# Altium PCB Board_Layout_Test.PcbDoc (part 2 of 2)
Units mil, origin at the board's own origin, x right, y up, seen from the top; angles counter-clockwise.
Board outline 4520 x 2430 mil, 4 copper layers (Top Layer, Power, Ground, Bottom Layer); 163 components, 141 nets, 661 pads, 470 vias.
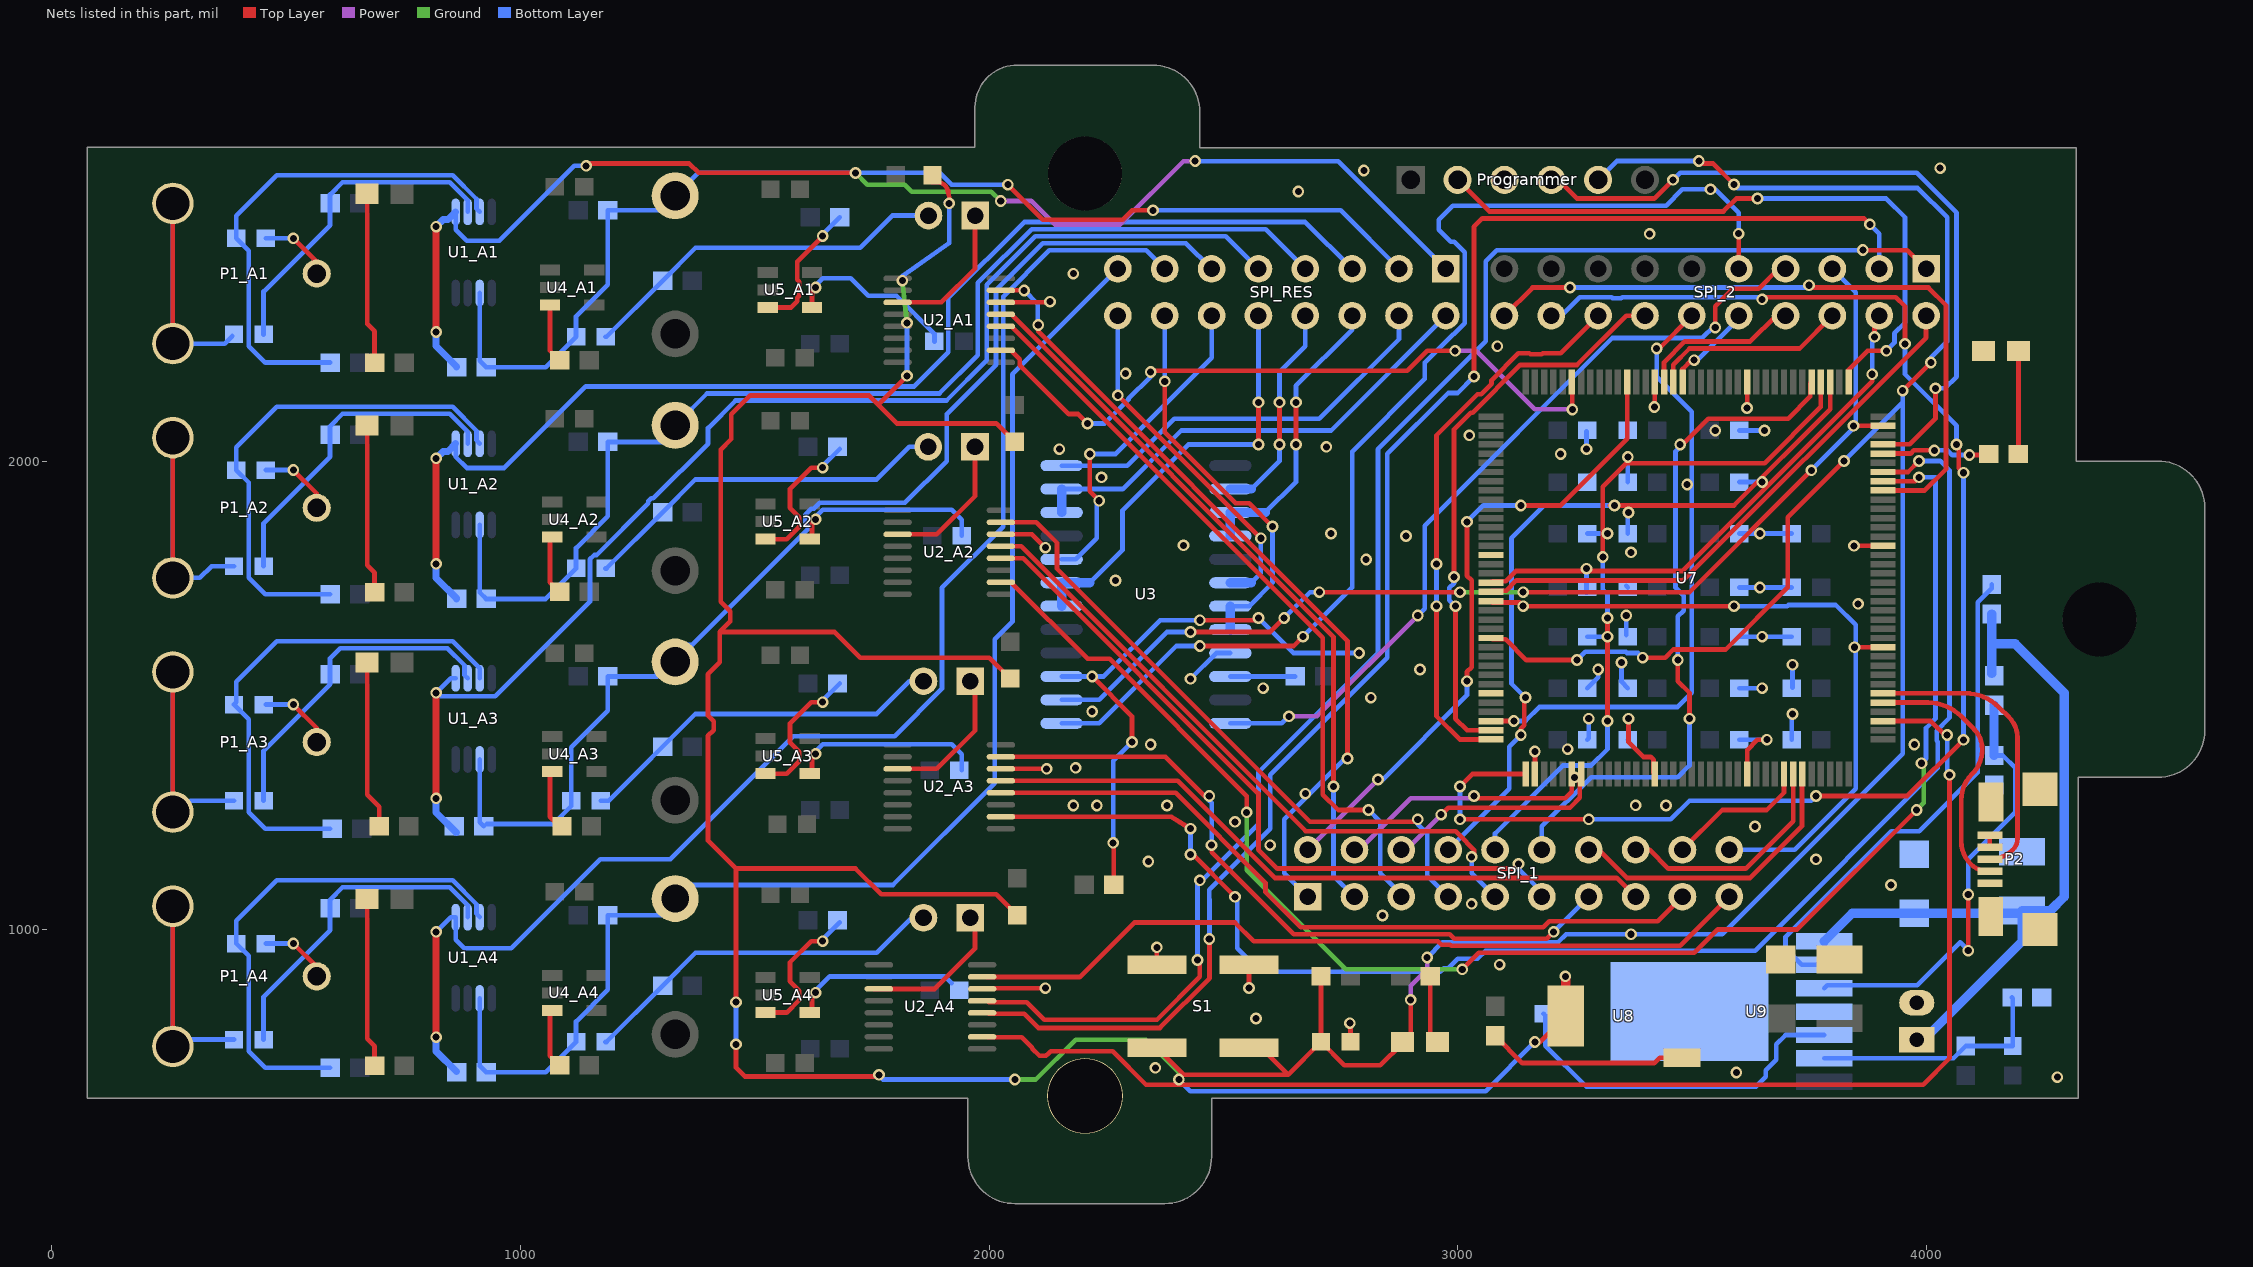
[diagram p4: the nets of this part, all layers, seen from the top]

## Via types
v1: diameter 25, hole 15, Top Layer to Bottom Layer, tented both sides, 292 vias
v2: diameter 25, hole 15, Top Layer to Ground, tented top, 64 vias
v3: diameter 25, hole 15, Ground to Bottom Layer, tented bottom, 48 vias
v4: diameter 25, hole 15, Top Layer to Power, tented top, 36 vias
v5: diameter 25, hole 15, Power to Bottom Layer, tented bottom, 30 vias

## Nets (pads, with @x,y where several pads share a name; then routed paths per layer and width w, separated by ;. In a path a pad name is that pad's centre, name@x,y a point inside that pad or via, vN(x,y) a via of type N, cw(c..) or ccw(c..) an arc to the next point about the centre after c; other vN are vias at no path point) (continued)
DGND: C11.2 C12.2 C13.2 C14.2 C15.2 C16.2 C17.2 C18.2 C19.2 C20.2 C21.2 C22.2 C23.2 C24.2 C25.2 C26.2 C27.2 C28.2 C29.2 C30.2 C31.2 C32.2 C33.2 C34.2 C35.2 C36.2 C37.2 C38.1 C40.2 C41.2 C42.2 C43.2 D5.1 NT1_A1.2 NT1_A2.2 NT1_A3.2 NT1_A4.2 P2.1 P2.4 P2.5 P2.SHD P3.2 pad.0@2204.72,645 pad.0@2204.72,2613.5 Programmer.3 R21.2 R23.2 S1.1 S1.2 U2_A1.14 U2_A2.14 U2_A3.14 U2_A4.14 U3.9 U7.16 U7.31 U7.38 U7.51 U7.61 U7.83 U7.94 U7.107 U7.120 U7.130 U8.5 U9.4 U9.8 | length 8509
  Top Layer w10: v1(1460,755) 1460,705.21 1478.7,686.51 v1@1766.3,686.51 ; v1(1460,845) 1460,1130.21 ; 1763.44,2120.2 v1(1825,2181.76) ; NT1_A1.2@1879.37,2595 1889.49,2595 cw(c1889.49,2571.68) 1912.81,2571.68 cw(c1879.37,2559.37) 1915,2559.37 v1(1915,2550) ; U2_A4.14@2000,875 v2(2120,875) ; U2_A3.14@2025.24,1343.09 v2(2122.87,1343.09) ; U2_A2.14@2025.24,1843.6 2091.61,1843.6 v2(2120,1815.21) ; U2_A1.14@2025.24,2338.6 v2@2128.39,2338.6 ; NT1_A3.2@2045,1535.84 2000.63,1580.21 1725,1580.21 1670,1635.21 1425,1635.21 ; NT1_A2.2@2055,2040.84 2015.63,2080.21 1803.42,2080.21 1743.64,2140 1490,2140 1450,2100 1450,2047.03 1427.5,2024.53 1427.5,1699.53 1447.5,1679.53 1447.5,1657.71 1425,1635.21 ; NT1_A4.2@2060,1030.84 2015.63,1075.21 1770,1075.21 1715,1130.21 1460,1130.21 ; S1.2@2358.15,925.21 v2(2358.15,962.06) ; v2(2555,875.21) S1.1@2555,925.21 ; C37.2@2771.5,760.21 v2@2771.5,798.72 ; v1(3165,760.21) 3175.98,760.21 U8.5@3230.98,815.21 ; U7.38@3165.2,1331.91 v2@3165.2,1380.02 ; v1(3365,1450.21) 3365,1400.21 3396.73,1368.48 3412.45,1368.48 3418.31,1362.62 3418.31,1334.7 U7.51@3421.1,1331.91 ; v2@3421.1,2115.21 U7.130@3421.1,2168.52 ; U7.61@3617.95,1331.91 3617.95,1383.17 3640,1405.21 v1@3655,1405.21 ; v2(3617.95,2113.17) U7.120@3617.95,2168.52 ; v2@3845.2,2075.02 U7.107@3908.31,2075.02 ; v2(3846.1,1819.11) U7.94@3908.31,1819.11 ; v2(3847.36,1602.58) U7.83@3908.31,1602.58 ; P2.4@4136,1175.59 P2.5@4136,1201.18 ; 1425,1635.21 1425,1570.21 1400,1545.21 1400,1457.03 1412.5,1444.53 1412.5,1425.89 1400,1413.39 1400,1190.21 1460,1130.21
  Top Layer w20: U8.5@3230.98,815.21 v2@3230.98,900.21
  Power w10: v1@1907.88,2552.67 1908.06,2552.6 v1(1915,2550) v1@1908.61,2553.93
  Ground w10: v3(1815,2385) v3(1825,2295) ; v1(2055,680) 2100,680 2185,765 2335,765 2405,695 v3(2405,680)
  Bottom Layer w10: v1(1460,755) v1(1460,845) ; v1@1766.3,686.51 1772.81,680 v1(2055,680) ; v3(1815,2385) 1815,2395 1915,2465 v1(1915,2550) ; v1(1825,2181.76) v3(1825,2295) ; v3(2405,680) 2429.79,655.21 3060,655.21 v1(3165,760.21) ; v3(2430,1535.21) 2485,1590.21 U3.9@2515.12,1590.21 ; C33.2@3275,1720.21 3275,1775.21 3280,1770.21 v3(3275,1770.21) ; v3(3275,2025.21) C30.2@3275,2063.72 ; C36.2@3276.5,1405.21 3280,1408.72 v3(3280,1450.21) ; C35.2@3276.5,1515.21 3300,1538.72 v3(3300,1555.21) ; C34.2@3276.5,1625.21 v3(3320,1625.21) ; C32.2@3276.5,1845.21 v3(3320,1845.21) ; v3(3350,1570.21) 3350,1528.72 C28.2@3363.5,1515.21 ; C27.2@3360,1628.72 v3(3360,1670.21) ; C26.2@3360,1733.72 C26.2@3363.5,1730.21 ; C29.2@3363.5,1405.21 3365,1406.71 v1(3365,1450.21) ; C25.2@3363.5,1845.21 v3@3363.5,1888.72 ; C24.2@3363.5,1955.21 v3(3363.5,2008.72) ; C22.2@3601.5,1405.21 v1(3660,1405.21) ; C21.2@3601.5,1515.21 v3(3650,1515.21) ; C20.2@3601.5,1625.21 v3(3650,1625.21) C13.2@3713.5,1625.21 ; C19.2@3601.5,1730.21 v3(3645,1730.21) C12.2@3713.5,1730.21 ; C18.2@3601.5,1845.21 v3(3645,1845.21) C11.2@3713.5,1845.21 ; C17.2@3601.5,1955.21 v3(3650,1955.21) ; C16.2@3601.5,2065.21 v3(3655,2065.21) ; C15.2@3713.5,1405.21 v3@3713.5,1458.72 ; C14.2@3715,1516.71 v3(3715,1565.21)
  other v1: 4280,685 1765,690 3595,695 2355,705 2570,810.21 2840,1030 3030,1055 3925,1095.21 2340,1145.21 3765,1150 2600,1180 3635,1220 2525,1230 2180,1265 2380,1265 2185,1345.21 2345,1395 3975,1395.21 2220,1465.21 2815,1495 2585,1515.21 2920,1555.21 3855,1695.21 2270,1745.21 3370,1805.21 2415,1820.21 2890,1840 2730,1845.21 2240,1965.21 3220,2015.21 2150,2025.21 2720,2030.21 3025,2055 2180,2400 3410,2485 2660,2575.21 2800,2620 4030,2625.21
  other v2: 2770,800.21 3230,900.21 3090,925 3370,990 2230,1265 3380,1265.21 2675,1290 3165,1380.21 3235,1385 3490,1950 3550,2065 3845,2075.21 3420,2115.21 2291.61,2186.61 3085,2245 2130,2340.21 3540,2580
  other v3: 3445,1265 3250,1325 3715,1460.21 2805,1790 3365,1890.21
EOC/I\N\T\_A1: U2_A1.10 U7.139 | length 1473.5
  Top Layer w10: U2_A1.10@2025.24,2236.24 2046.75,2236.24 2065.75,2217.24 2065.75,2204.47 2170,2100.21 2190,2100.21 v1(2210,2080.21) ; v1(2345,2190.21) 2347.5,2192.71 2892.5,2192.71 2935,2235.21 v1(2995,2235.21) ; U7.139@3243.94,2168.52 3245,2167.46 v1(3245,2110.21)
  Power w10: v1(2995,2235.21) 3040,2235.21 3165,2110.21 v1(3245,2110.21)
  Bottom Layer w10: v1(2210,2080.21) 2246.82,2080.21 2297.5,2130.89 2297.5,2132.71 2345,2180.21 v1(2345,2190.21)
EOC/I\N\T\_A2: U2_A2.10 U7.101 | length 3375.5
  Top Layer w10: U2_A2.10@2025.24,1741.24 2046.75,1741.24 2210.27,1577.71 2257.29,1577.71 2550,1285 v1@2550,1250.82 ; v1(3010,915.21) 3045,950.21 3505,950.21 3555,1000.21 3725,1000.21 v1(3980,1255.21) ; U7.101@3908.31,1956.91 3976.69,1956.91 v1(3985,1965.21)
  Ground w10: v1(2550,1250.21) 2550,1127.02 2761.8,915.21 v1(3010,915.21) ; v1(3980,1255.21) 3995,1270.21 3995,1350 v1(3990,1355)
  Bottom Layer w10: v1(3985,1965.21) 4020,1965.21 4020,1450.21 4000,1430.21 4000,1365 v1(3990,1355)
EOC/I\N\T\_A3: U2_A3.10 U7.102 | length 3218.6
  Top Layer w10: U2_A3.10@2025.24,1240.73 2389.49,1240.73 v1(2430,1215.21) ; v1@2432.5,1162.5 v1(2525,1070) ; U7.102@3908.31,1976.59 3961.38,1976.59 v1(3985,2000.21)
  Bottom Layer w10: v1@2430,1155 v1(2430,1215.21) ; v1(2525,1070) 2530,1065 2530,960 2580,910 2962.97,910 2970.68,917.71 ; 2970.68,917.5 2980.47,917.5 3000.68,937.71 3042.5,937.71 3059.79,955 3635,955 4025,1345 4025,1400.89 4022.5,1403.39 4022.5,1424.53 4050,1452.03 4050,1980.21 4030,2000.21 v1(3985,2000.21)
  other v1: 2430,1160
EOC/I\N\T\_A4: U2_A4.10 U7.75 | length 2968.8
  Top Layer w10: U2_A4.10@1998.24,770 2070,770 2092.5,747.5 2092.5,745.89 2107.67,730.73 2121.43,730.73 2123.42,732.71 2124.32,732.71 2131.61,740 2264.03,740 2335,669.03 3994.03,669.03 4050,725 v1(4050,1330.21) ; U7.75@3908.31,1445.1 4010.12,1445.1 v1@4045,1410.21
  Bottom Layer w10: v1(4045,1415.21) 4045,1335.21 v1(4050,1330.21)
NetC2_A1_1: C2_A1.1 P1_A1.2 P1_A1.3 | length 732.2
  Top Layer w10: P1_A1.2@257.91,2250.61 P1_A1.3@257.91,2549.82
  Bottom Layer w10: P1_A1.3@257.91,2549.82 P1_A1.2@257.91,2250.61 368.9,2250.61 C2_A1.1@385,2266.71
NetC2_A1_2: C2_A1.2 R1_A1.2 U1_A1.2 | length 703
  Bottom Layer w10: C2_A1.2@451.5,2270.21 451.5,2361.71 593.5,2503.72 R1_A1.2@593.5,2550.21 593.5,2568.72 620,2595.21 848.96,2595.21 887.2,2556.97 U1_A1.2@887.2,2531.83
NetC2_A2_1: C2_A2.1 P1_A2.2 P1_A2.3 | length 739.4
  Top Layer w10: P1_A2.2@257.91,1756.12 P1_A2.3@257.91,2049.82 P1_A2.3@257.91,2055.33
  Bottom Layer w10: P1_A2.2@257.91,1750.61 315.39,1750.61 340.51,1775.73 C2_A2.1@388.5,1775.73 ; P1_A2.2@257.91,1756.12 P1_A2.3@257.91,2049.82 P1_A2.3@257.91,2055.33
NetC2_A2_2: C2_A2.2 R1_A2.2 U1_A2.2 | length 703
  Bottom Layer w10: C2_A2.2@451.5,1775.73 451.5,1867.22 593.5,2009.23 R1_A2.2@593.5,2055.73 593.5,2074.23 620,2100.73 848.96,2100.73 887.2,2062.48 U1_A2.2@887.2,2037.34
NetC2_A3_1: C2_A3.1 P1_A3.2 P1_A3.3 | length 734.4
  Top Layer w10: P1_A3.2@257.91,1250.61 P1_A3.3@257.91,1549.82
  Bottom Layer w10: P1_A3.2@257.91,1250.61 P1_A3.3@257.91,1549.82 ; P1_A3.2@265,1245.21 295,1275.21 C2_A3.1@388.5,1275.21
NetC2_A3_2: C2_A3.2 R1_A3.2 U1_A3.2 | length 703.6
  Bottom Layer w10: C2_A3.2@451.5,1275.21 451.5,1381.71 593.5,1523.72 R1_A3.2@593.5,1545.21 593.5,1578.72 615,1600.21 844.07,1600.21 880.47,1563.81 880.47,1543.05 U1_A3.2@887.2,1536.32
NetC2_A4_1: C2_A4.1 P1_A4.2 P1_A4.3 | length 735.1
  Top Layer w10: P1_A4.2@257.91,750.61 P1_A4.3@257.91,1049.82
  Bottom Layer w10: P1_A4.3@257.91,1049.82 P1_A4.2@257.91,750.61 272.52,765.21 C2_A4.1@388.5,765.21
NetC2_A4_2: C2_A4.2 R1_A4.2 U1_A4.2 | length 703
  Bottom Layer w10: C2_A4.2@451.5,765.21 451.5,856.71 593.5,998.72 R1_A4.2@593.5,1045.21 593.5,1063.72 620,1090.21 848.96,1090.21 887.2,1051.97 U1_A4.2@887.2,1026.83
NetC3_A1_1: C3_A1.1 P1_A1.1 | length 154.2
  Top Layer w10: v1(515,2475.21) 565,2425.21 P1_A1.1@565,2400.21
  Bottom Layer w10: C3_A1.1@456.5,2475.21 v1(515,2475.21)
NetC3_A1_2: C3_A1.2 R2_A1.1 U1_A1.3 | length 1077.2
  Bottom Layer w10: R2_A1.1@593.5,2210.21 455,2210.21 420,2245.21 420,2448.72 C3_A1.2@393.5,2475.21 393.5,2523.72 480,2610.21 855.17,2610.21 906.06,2559.32 906.06,2538.56 U1_A1.3@912.8,2531.83
NetC3_A2_1: C3_A2.1 P1_A2.1 | length 154.2
  Top Layer w10: v1(515,1980.73) 565,1930.73 P1_A2.1@565,1905.73
  Bottom Layer w10: C3_A2.1@456.5,1980.73 v1(515,1980.73)
NetC3_A2_2: C3_A2.2 R2_A2.1 U1_A2.3 | length 1077.2
  Bottom Layer w10: R2_A2.1@593.5,1715.73 455,1715.73 420,1750.73 420,1954.23 C3_A2.2@393.5,1980.73 393.5,2029.23 480,2115.73 855.17,2115.73 906.06,2064.84 906.06,2044.07 U1_A2.3@912.8,2037.34
NetC3_A3_1: C3_A3.1 P1_A3.1 | length 159.2
  Top Layer w10: v1(515,1480.21) 565,1430.21 P1_A3.1@565,1400.21
  Bottom Layer w10: C3_A3.1@456.5,1480.21 v1(515,1480.21)
NetC3_A3_2: C3_A3.2 R2_A3.1 U1_A3.3 | length 1081.9
  Bottom Layer w10: R2_A3.1@593.5,1215.21 455,1215.21 420,1250.21 420,1448.72 C3_A3.2@388.5,1480.21 393.5,1485.21 393.5,1528.72 480,1615.21 855.17,1615.21 912.8,1557.59 U1_A3.3@912.8,1536.32
NetC3_A4_1: C3_A4.1 P1_A4.1 | length 154.2
  Top Layer w10: v1(515,970.21) 565,920.21 P1_A4.1@565,895.21
  Bottom Layer w10: C3_A4.1@456.5,970.21 v1(515,970.21)
NetC3_A4_2: C3_A4.2 R2_A4.1 U1_A4.3 | length 1077.2
  Bottom Layer w10: R2_A4.1@593.5,705.21 455,705.21 420,740.21 420,943.72 C3_A4.2@393.5,970.21 393.5,1018.72 480,1105.21 855.17,1105.21 906.06,1054.32 906.06,1033.56 U1_A4.3@912.8,1026.83
NetC4_A1_2: C4_A1.2 HP_A1.2 R3_A1.2 | length 796.4
  Bottom Layer w10: C4_A1.2@1181.5,2265.21 1183.5,2265.21 R3_A1.2@1303.5,2385.21 1373.5,2455.21 1724.83,2455.21 1793.51,2523.9 HP_A1.2@1870.73,2523.9
NetC4_A2_2: C4_A2.2 HP_A2.2 R3_A2.2 | length 786.2
  Bottom Layer w10: C4_A2.2@1181.5,1770.73 1183.5,1770.73 R3_A2.2@1303.5,1890.73 1373.5,1960.73 1760,1960.73 1830,2030.73 HP_A2.2@1860,2030.73
NetC4_A3_2: C4_A3.2 HP_A3.2 R3_A3.2 | length 794.1
  Bottom Layer w10: C4_A3.2@1171.5,1275.21 1188.5,1275.21 1373.5,1460.21 1760,1460.21 1830,1530.21 HP_A3.2@1860,1530.21
NetC4_A4_2: C4_A4.2 HP_A4.2 R3_A4.2 | length 786.2
  Bottom Layer w10: C4_A4.2@1181.5,760.21 1183.5,760.21 R3_A4.2@1303.5,880.21 1373.5,950.21 1760,950.21 1830,1020.21 HP_A4.2@1860,1020.21
NetC8_A1_2: C8_A1.2 U5_A1.4 | length 370.9
  Top Layer w10: U5_A1.4@1622.24,2327.81 1622.24,2362.46 v1(1630,2370.21)
  Bottom Layer w10: v1@1630,2375.21 1645,2390.21 1705,2390.21 1742.5,2352.71 1802.5,2352.71 1883.5,2271.71 C8_A1.2@1883.5,2255.21
NetC8_A2_2: C8_A2.2 U5_A2.4 | length 405.7
  Top Layer w10: U5_A2.4@1622.24,1833.32 1622.24,1867.97 v1(1630,1875.73)
  Bottom Layer w10: v1@1630,1880.73 1645,1895.73 1920,1895.73 1941.5,1874.23 C8_A2.2@1941.5,1840.73
NetC8_A3_2: C8_A3.2 U5_A3.4 | length 405.7
  Top Layer w10: U5_A3.4@1622.24,1332.81 1622.24,1367.46 v1(1630,1375.21)
  Bottom Layer w10: v1@1630,1380.21 1645,1395.21 1920,1395.21 1941.5,1373.72 C8_A3.2@1941.5,1340.21
NetC8_A4_2: C8_A4.2 U5_A4.4 | length 354.1
  Top Layer w10: U5_A4.4@1622.24,822.81 1622.24,857.46 v1(1630,865.21)
  Bottom Layer w10: v1@1630,870.21 1659.79,900 1905.21,900 C8_A4.2@1920,885.21
NetC38_2: C38.2 U9.5 | length 773.5
  Bottom Layer w10: C38.2@3183.5,820 3187.5,816 3187.5,752.5 3275,665 3636.82,665 3657.5,685.68 3657.5,699.32 3680,721.82 3680,755 3700,775 U9.5@3782.6,775
NetC39_1: C39.1 R22.2 R23.1 U9.6 | length 517.5
  Bottom Layer w10: U9.6@3782.6,725 4058.5,725 R22.2@4085,751.5 C39.1@4185,751.5 4185,853.5 R23.1@4183.5,855
NetD1_A1_2: D1_A1.2 R7_A1.2 | length 366.6
  Top Layer w10: D1_A1.2@672.6,2570.21 672.6,2292.62 688.5,2276.71 R7_A1.2@688.5,2210.21
NetD1_A2_2: D1_A2.2 R7_A2.2 | length 362.1
  Top Layer w10: D1_A2.2@672.6,2075.73 672.6,1777.62 688.5,1761.71 R7_A2.2@688.5,1720.21
NetD1_A3_2: D1_A3.2 R7_A3.2 | length 360.7
  Top Layer w10: D1_A3.2@672.6,1570.21 672.6,1287.62 698.5,1261.71 R7_A3.2@698.5,1220.21
NetD1_A4_2: D1_A4.2 R7_A4.2 | length 362.1
  Top Layer w10: D1_A4.2@672.6,1065.21 672.6,767.1 688.5,751.2 R7_A4.2@688.5,709.7
NetD4_2: D4.2 R12.2 | length 146.6
  Top Layer w10: R12.2@2941.5,900.21 2941.5,776.12 D4.2@2957.4,760.21
NetD5_2: D5.2 R24.2 | length 220.4
  Top Layer w10: R24.2@4196.5,2015 4197.4,2015.91 D5.2@4197.4,2235
NetHP_A1_1: HP_A1.1 U2_A1.3 | length 308.6
  Top Layer w10: U2_A1.3@1804.76,2338.6 1898.39,2338.6 1970,2410.21 HP_A1.1@1970,2523.9
NetHP_A2_1: HP_A2.1 U2_A2.3 | length 304
  Top Layer w10: U2_A2.3@1804.76,1843.6 1888.39,1843.6 1970,1925.21 HP_A2.1@1970,2030.21
NetHP_A3_1: HP_A3.1 U2_A3.3 | length 304
  Top Layer w10: U2_A3.3@1804.76,1343.09 1888.39,1343.09 1970,1424.7 HP_A3.1@1970,1529.7
NetHP_A4_1: HP_A4.1 U2_A4.3 | length 310.9
  Top Layer w10: U2_A4.3@1755,873.09 1883.39,873.09 1965,954.7 1970,959.7 HP_A4.1@1970,1019.7
NetR5_A1_1: R5_A1.1 U4_A1.3 | length 126.2
  Top Layer w10: U4_A1.3@1062.76,2332.81 1062.76,2235.96 R5_A1.1@1083.5,2215.21
NetR5_A2_1: R5_A2.1 U4_A2.3 | length 126.2
  Top Layer w10: U4_A2.3@1062.76,1838.32 1062.76,1741.47 R5_A2.1@1083.5,1720.73
NetR5_A3_1: R5_A3.1 U4_A3.3 | length 126.2
  Top Layer w10: U4_A3.3@1062.76,1337.81 1062.76,1240.96 R5_A3.1@1083.5,1220.21
NetR5_A4_1: R5_A4.1 U4_A4.3 | length 126.2
  Top Layer w10: U4_A4.3@1062.76,827.81 1062.76,730.96 R5_A4.1@1083.5,710.21
NetR8_A1_1: R8_A1.1 U5_A1.3 | length 288.8
  Top Layer w10: U5_A1.3@1527.76,2327.81 1577.4,2327.81 1590.59,2341 1590.59,2348.17 1595,2352.58 1595,2382.25 1590.59,2386.66 1590.59,2425.8 v1(1645,2480.21)
  Bottom Layer w10: v1(1645,2480.21) 1645,2483.72 R8_A1.1@1681.5,2520.21
NetR8_A2_1: R8_A2.1 U5_A2.3 | length 314.6
  Top Layer w10: U5_A2.3@1522.76,1833.32 1568.11,1833.32 1595,1860.21 1595,1880.21 1575,1900.21 1575,1940.21 1620.51,1985.73 v1(1645,1985.73)
  Bottom Layer w10: v1@1643.25,1987.48 R8_A2.1@1681.5,2025.73
NetR8_A3_1: R8_A3.1 U5_A3.3 | length 314.6
  Top Layer w10: U5_A3.3@1522.76,1332.81 1568.11,1332.81 1595,1359.7 1595,1379.7 1575,1399.7 1575,1439.7 1620.51,1485.21 v1(1645,1485.21)
  Bottom Layer w10: v1@1643.25,1486.97 R8_A3.1@1681.5,1525.21
NetR8_A4_1: R8_A4.1 U5_A4.3 | length 314.6
  Top Layer w10: U5_A4.3@1522.76,822.81 1568.11,822.81 1595,849.7 1595,869.7 1575,889.7 1575,929.7 1620.51,975.21 v1(1645,975.21)
  Bottom Layer w10: v1@1643.25,976.97 R8_A4.1@1681.5,1015.21
NetR9_2: R9.2 U3.10 | length 138.4
  Bottom Layer w10: U3.10@2515.12,1540.21 R9.2@2653.5,1540.21
NetR10_2: R10.2 R21.1 U9.3 | length 949.4
  Top Layer w10: v1(4090,955) v1(4090,1075)
  Bottom Layer w10: U9.3@3782.6,875 3788.84,881.24 3981.24,881.24 4072.5,972.5 v1(4090,955) ; v1(4090,1075) 4090,1150 4190,1250 4190,1345 4163.5,1371.5 R21.1@4145,1371.5
  Bottom Layer w20: R21.1@4145,1371.5 R10.2@4145,1478.5
NetR13_2: R13.2 U8.1 | length 428.1
  Top Layer w10: R13.2@3080,773.5 3138.5,715 3420,715 3431.63,726.63 U8.1@3479.02,726.63
NetR17_2: R17.2 U9.2 | length 1090.6
  Bottom Layer w10: U9.2@3782.6,925 3735,925 3700,960 3700,984.3 3925.7,1210 3985,1210 4110.31,1335.31 4110.31,1698.32 4140,1728 R17.2@4140,1736.5
NetR24_1: R24.1 U7.104 | length 233.1
  Top Layer w10: U7.104@3908.31,2015.96 3966.96,2015.96 3973.71,2022.71 v1(4017.71,2022.71) ; v1(4092.29,2012.71) 4131.22,2012.71 R24.1@4133.5,2015
  Bottom Layer w10: v1(4017.71,2022.71) 4045.68,2022.71 4055.68,2012.71 v1(4092.29,2012.71)
R\S\T\: C37.1 D4.1 Programmer.5 R11.2 S1.3 S1.4 U7.25 | length 5484.2
  Top Layer w10: S1.3@2358.15,748.05 2415.98,690.21 2638.5,690.21 ; S1.4@2555,748.05 2580.67,748.05 2638.5,690.21 ; R11.2@2708.5,900.21 C37.1@2708.5,760.21 ; v1(2900,850) 2900,777.62 D4.1@2882.6,760.21 2882.6,757.81 2835,710.21 2758.5,710.21 C37.1@2708.5,760.21 ; U7.25@3071.69,1622.26 3074.49,1619.47 3102.41,1619.47 3146.66,1575.21 v1(3255,1575.21) ; v1(3395,1580.21) 3443.18,1580.21 3460.68,1597.71 3572.5,1597.71 3705,1730.21 3705,1880.21 v1(3825,2000.21) ; v1@3520,2635.21 3545,2635.21 v1(3590,2590.21) ; v1(3950,2150.21) v1(4010,2210.21) ; 2638.5,690.21 C37.1@2708.5,760.21
  Power w10: v1(2900,850) 2900,880 2935,915 v1(2935,940.21)
  Bottom Layer w10: v1(2935,940.21) 2967.5,972.71 3214.32,972.71 3231.61,990 3565,990 3950,1375 3950,2125.21 ; v1(3255,1575.21) 3272.5,1592.71 3359.32,1592.71 3361.82,1590.21 3385,1590.21 v1(3395,1580.21) ; Programmer.5@3300,2600.21 3340,2640.21 v1(3515,2640.21) v1@3520,2635.21 ; v1(3590,2590.21) 3597.5,2582.71 3982.5,2582.71 4045,2520.21 4045,2255.21 4010,2220.21 v1(4010,2210.21) ; v1(3825,2000.21) 3950,2125.21 ; v1(3950,2150.21) 3950,2125.21
R\S\T\_\P\O\T\: R6.1 U3.15 | length 1204.1
  Top Layer w10: v1(2220,1540.21) 2305,1455.21 v1(2305,1400.21) ; R6.1@2266.5,1095.21 v1@2266.5,1183.72 ; v1(2450,1660.21) v1@2575,1660.21
  Bottom Layer w10: U3.15@2154.88,1540.21 v1(2220,1540.21) 2245,1540.21 2365,1660.21 v1(2450,1660.21) ; v1(2265,1185.21) 2265,1360.21 v1@2300,1395.21 ; v1(2575,1665.21) 2650,1590.21 v1(2790,1590.21)
RGA_1: DNP_A1.1 SPI_RES.1 U1_A1.1 | length 2807.3
  Top Layer w10: v1(1140,2630) 1145,2635 1360,2635 1380,2615 v2(1715,2615)
  Top Layer w15: v1(820,2275.21) v1(820,2500.21)
  Power w10: v1(2025,2555.21) 2089.79,2555.21 2140,2505 2280,2505 2415,2640 v1@2440,2640
  Ground w10: v2(1715,2615) 1740,2590 1820,2590 1835,2575 2005,2575 v1@2025,2555
  Bottom Layer w10: U1_A1.1@861.61,2531.83 861.61,2493.6 885,2470.21 955,2470.21 1114.79,2630 v1(1140,2630) ; v1@2440,2640 2745.21,2640 SPI_RES.1@2975,2410.21
  Bottom Layer w15: v1(820,2275.21) 820,2245.21 863.5,2201.71 DNP_A1.1@863.5,2200.21 ; v1(820,2500.21) 835,2515.21 845,2515.21 U1_A1.1@861.61,2531.83
  other v1: 2440,2640.21
RGA_1I: SPI_RES.2 U3.22 U3.23 | length 1023.4